# Altium PCB egse_pcb.PcbDoc (part 3 of 3) (continued)
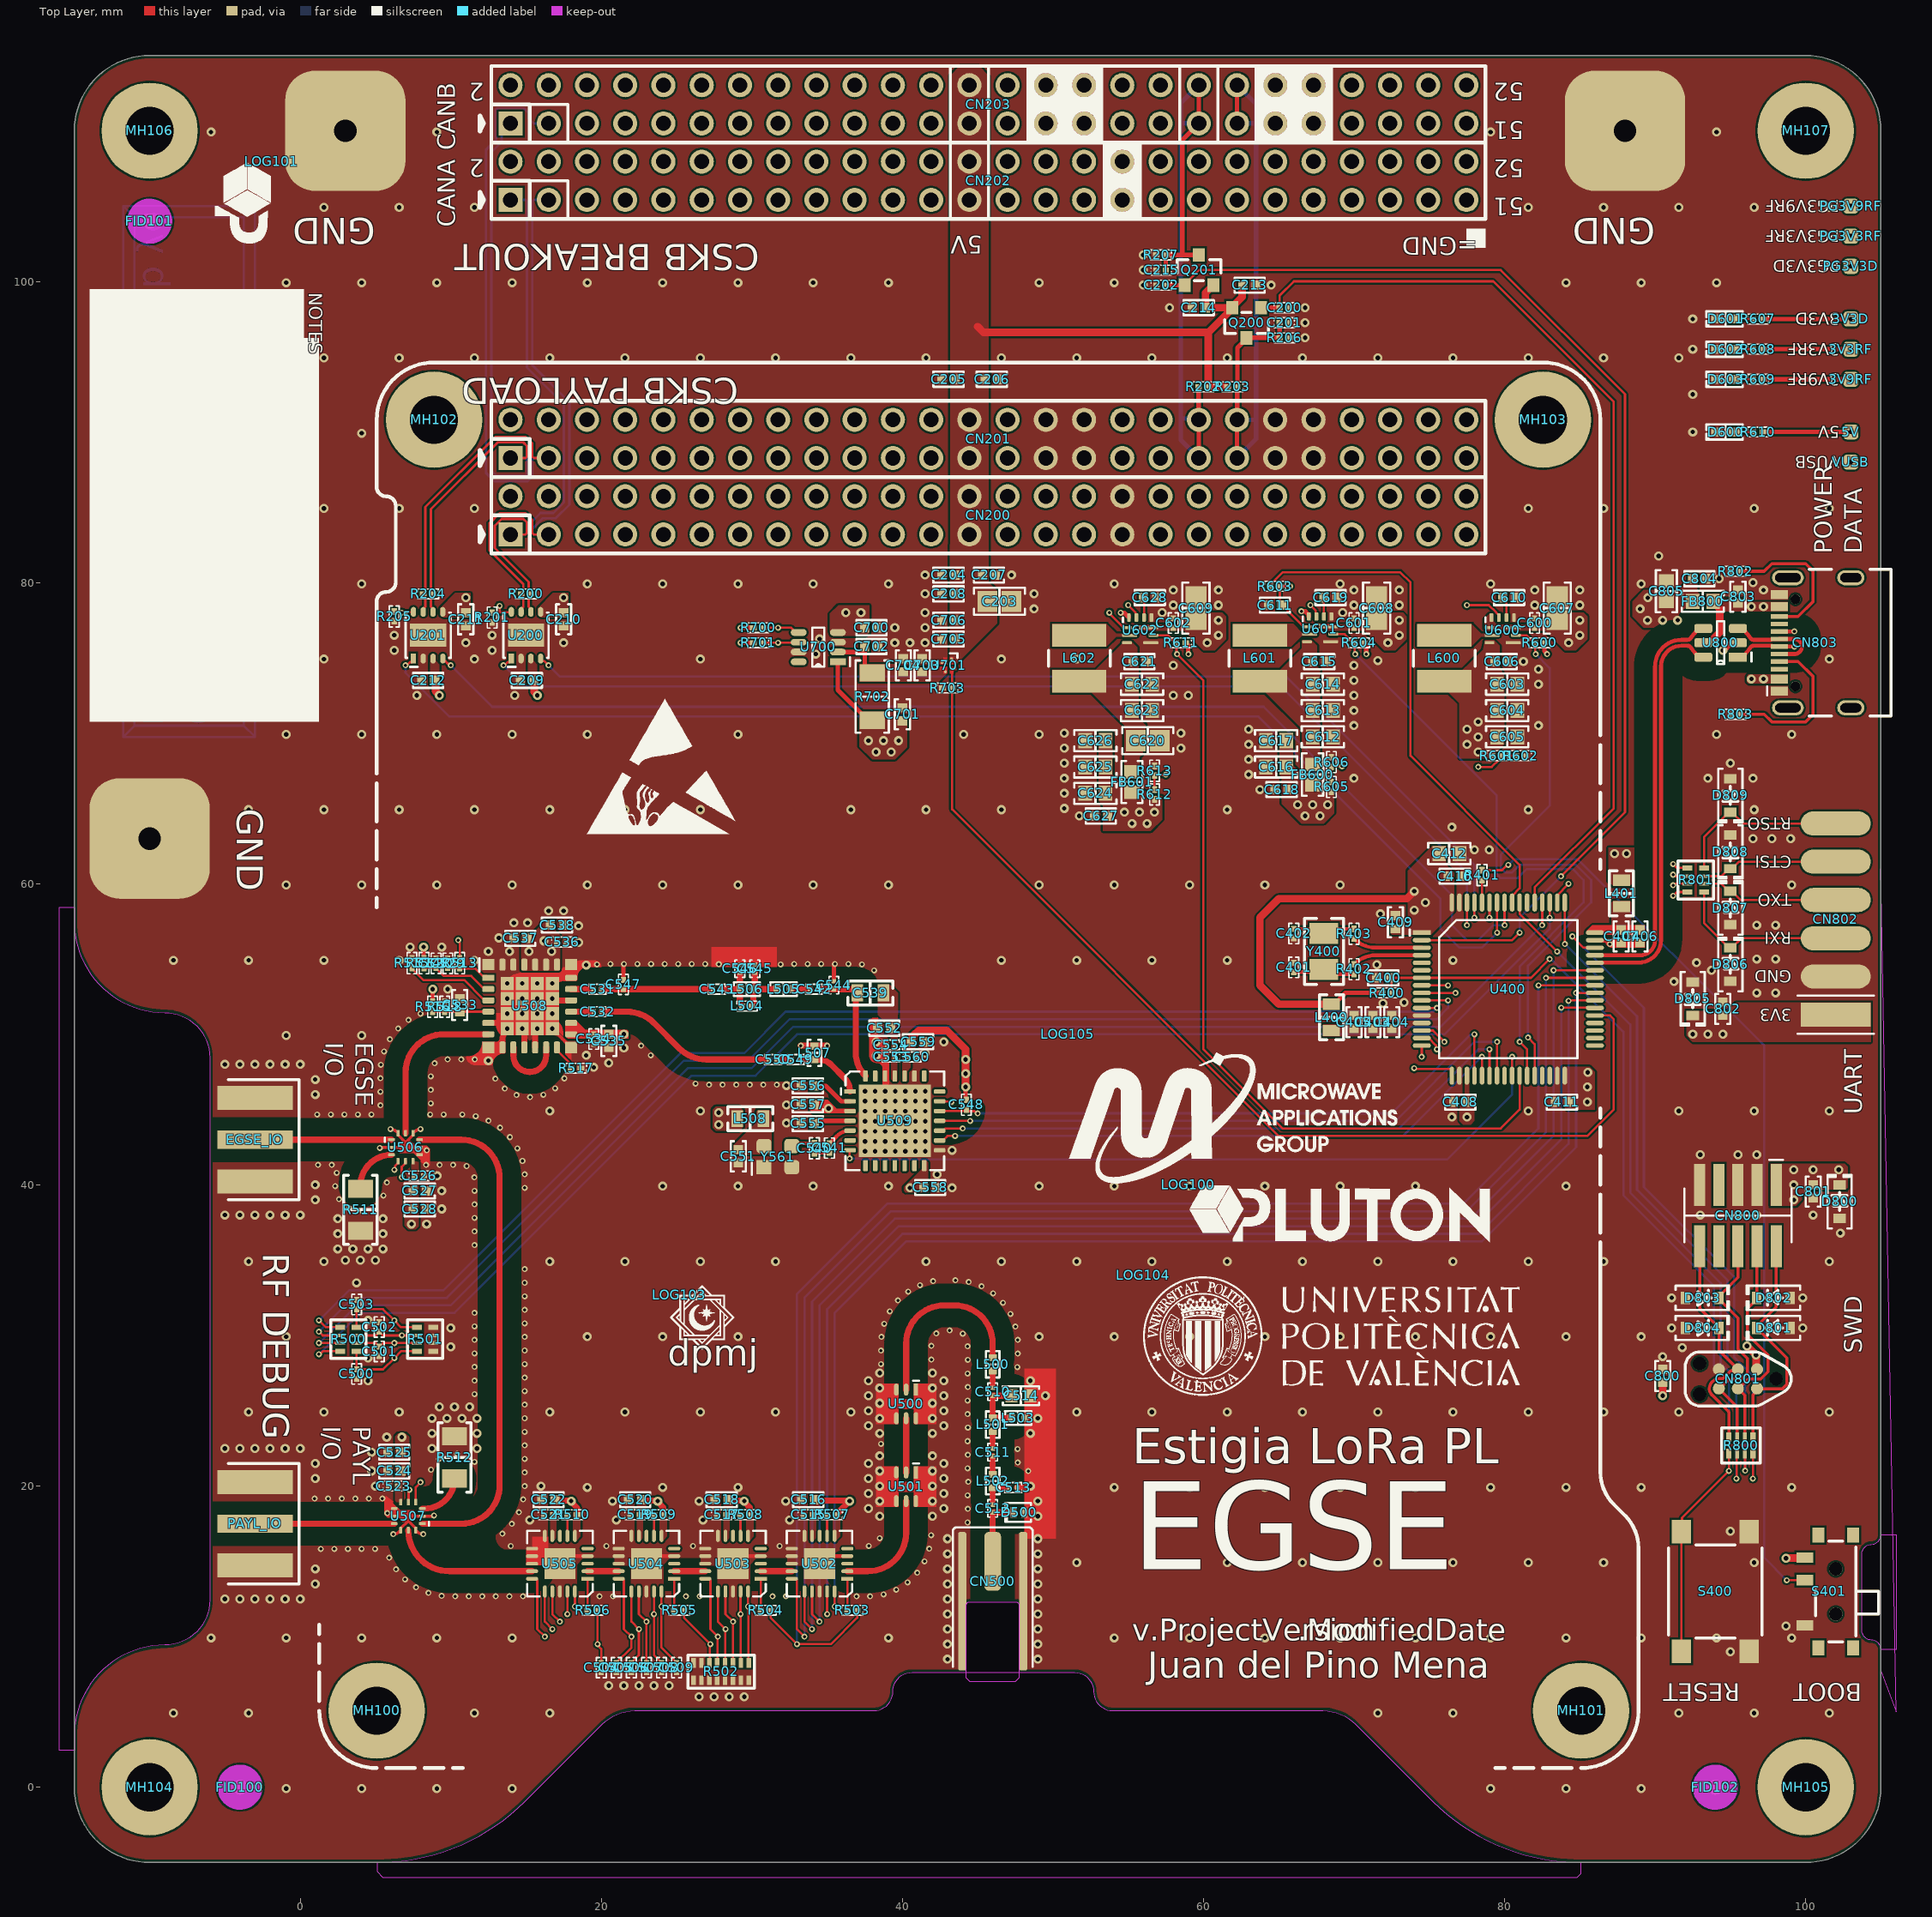
[diagram p0: Top Layer view]
## Nets (pads, with @x,y where several pads share a name; then routed paths per layer and width w, separated by ;. In a path a pad name is that pad's centre, name@x,y a point inside that pad or via, vN(x,y) a via of type N, cw(c..) or ccw(c..) an arc to the next point about the centre after c; other vN are vias at no path point) (continued)
copper on no net: | length 174.2
  Bottom Layer w0.15: -3.75,70.5 -3,69.75 ; -3.75,104.25 -3,105 ; -11.75,69.75 -3,69.75 ; -11.75,69.75 -11.75,105 ; -11.75,69.75 -11,70.5 ; -11.75,105 -3,105 ; -11.75,105 -11,104.25 ; -11,70.5 -3.75,70.5 -3.75,104.25 -11,104.25 ; -11,70.5 -11,104.25 ; -3,69.75 -3,105

## Polygon pours and split planes (outlines as drawn)
GND on Top Layer "NONET_L-01_P-001" (solid, remove dead copper, pour order 76): -16.25,116 -16,116.25 106.75,116.25 106.75,-5.25 105,-7 -16.25,-7 -16.25,115.75 -16,116
VCC_3V3 on Top Layer "NONET_L01_P-001" (solid, pour order 77): 88.6,62.4 88.6,60.114 88.334,59.848 87.204,59.848 86.9,60.151 86.9,62.4
VCC_3V3_USB on Top Layer "NONET_L01_P-001" (solid, pour order 1): 88.334,58.858 88.4,58.791 88.4,56.9 87.1,56.9 87.1,58.754 87.204,58.858
VCC_RF_3V3 on Top Layer "NONET_L01_P-001" (solid, pour order 13): 34.26,16.545 34.26,17.92 34.49,18.15 34.49,19.415 33.89,19.415 33.86,19.385 33.86,16.425 33.875,16.41 34.125,16.41 33.875,16.41 34.125,16.41
VCC_RF_3V3 on Top Layer "NONET_L01_P-001" (solid, pour order 9): 28.51,16.545 28.51,17.92 28.74,18.15 28.74,19.415 28.14,19.415 28.11,19.385 28.11,16.425 28.125,16.41 28.375,16.41 28.125,16.41 28.375,16.41
VCC_RF_3V3 on Top Layer "NONET_L01_P-001" (solid, pour order 7): 22.76,16.545 22.76,17.92 22.99,18.15 22.99,19.415 22.39,19.415 22.36,19.385 22.36,16.425 22.375,16.41 22.625,16.41 22.375,16.41 22.625,16.41
VCC_RF_3V3 on Top Layer "NONET_L01_P-001" (solid, pour order 5): 17.01,16.545 17.01,17.92 17.24,18.15 17.24,19.415 16.64,19.415 16.61,19.385 16.61,16.425 16.625,16.41 16.875,16.41 16.625,16.41 16.875,16.41
VBUS_USB on Top Layer "NONET_L01_P-001" (solid, pour order 29): 98.82,78.7 96.04,78.7 95.82,78.92 94.63,78.92 94.3,79.25 93.4,79.25 93.4,78.25 93.55,78.1 98.82,78.1
VCC_USB_5V on Top Layer "NONET_L01_P-001" (solid, pour order 30): 92.8,79.4 92.95,79.25 92.95,78.25 91.7,77 89.25,77 88.5,77.75 88.5,78.75 89.25,79.5 91.55,79.5 92.2,80.15 92.2,80.57 92.8,80.57 92.8,79.93
VCC_USB_5V on Top Layer "NONET_L-01_P-001" (solid, remove dead copper, pour order 33): 80.075,77.071 80.204,77.2 82.175,77.2 82.8,77.825 82.8,78.15 84.2,78.15 84.2,76.85 84.15,76.8 80.2,76.8 80.075,76.925
VCC_USB_5V on Top Layer "NONET_L-01_P-001" (solid, remove dead copper, pour order 61): 84.2,78.15 84.35,78 85.25,78 85.5,77.75 85.5,76.25 84.75,75.5 84,75.5 82.5,77 82.5,77.2 83.45,78.15
VCC_RF_3V3 on Top Layer "NONET_L01_P-001" (solid, pour order 23): 6.78,18.76 6.78,20.47 7.25,20.94 7.25,23.25 7,23.5 6.5,23.5 6.3,23.3 6.3,20.175 6.3,19.04 6.58,18.76
VCC_RF_3V3 on Top Layer "NONET_L01_P-001" (solid, pour order 16): 27.6,45.2 29.17,45.2 29.405,44.965 29.405,43.835 29.17,43.6 27.6,43.6 27.4,43.8 27.4,45
Y_VCC_10 on Top Layer "NONET_L01_P-001" (solid, pour order 17): 31.31,44.81 31.31,42.338 31.073,42.1 30.547,42.1 30.31,42.338 30.31,44.88 30.395,44.965 31.155,44.965 30.395,44.965 31.155,44.965
VCC_RF_3V3 on Top Layer "NONET_L01_P-001" (solid, pour order 24): 7.4,41.79 7.4,40.08 6.93,39.61 6.93,37.3 7.18,37.05 7.68,37.05 7.88,37.25 7.88,40.375 7.88,41.51 7.6,41.79
VCC_USB_5V on Top Layer "NONET_L-01_P-001" (solid, remove dead copper, pour order 72): 60.2,78.15 60.35,78 61.25,78 61.5,77.75 61.5,76.25 60.75,75.5 60,75.5 58.5,77 58.5,77.2 59.45,78.15
VCC_USB_5V on Top Layer "NONET_L-01_P-001" (solid, remove dead copper, pour order 62): 72.2,78.15 72.35,78 73.25,78 73.5,77.75 73.5,76.25 72.75,75.5 72,75.5 70.5,77 70.5,77.2 71.45,78.15
VCC_3V3 on Top Layer "NONET_L-01_P-001" (solid, remove dead copper, pour order 60): 104.325,52.1 95.37,52.1 94.82,51.55 92.098,51.55 92.085,51.563 92.085,49.915 92.5,49.5 104.325,49.5
VCC_3V3 on Top Layer "NONET_L-01_P-001" (solid, remove dead copper, pour order 59): 77.65,47.7 77.65,45.97 78,45.62 78,44.25 77.75,44 77.25,44 77,44.25 77,45.62 77.35,45.97 77.35,47.7
VCC_USB_5V on Top Layer "NONET_L-01_P-001" (solid, remove dead copper, pour order 58): 37.15,71.425 39.365,71.425 39.68,71.11 40.32,71.11 40.32,69.07 39.5,68.25 38,68.25 37.15,69.1
VCC_SAT_5V on Top Layer "NONET_L-01_P-001" (solid, remove dead copper, pour order 56): 46.3,77.3 46.3,79.45 45.72,80.03 45.72,82.55 43.18,82.55 43.15,82.52 43.15,74.59 43.59,74.59 43.15,74.59 43.59,74.59
VCC_BUS_5V_CTRL on Top Layer "NONET_L-01_P-001" (solid, remove dead copper, pour order 55): 37.15,74.575 39.525,74.575 39.74,74.36 41.63,74.36 41.68,74.41 42.97,74.41 42.97,73.97 42.425,73.425 38.85,73.425 37.15,73.425
VCC_3V3 on Top Layer "NONET_L-01_P-001" (solid, remove dead copper, pour order 53): 35.19,76.68 35.19,77.94 35.75,78.5 37.8,78.5 37.8,76.68 37.58,76.46 35.415,76.46
VCC_3V3 on Top Layer "NONET_L-01_P-001" (solid, remove dead copper, pour order 51): 85.65,47.85 86,47.5 86,45 84.13,45 83.85,45.28 83.85,47.85
VCC_3V3 on Top Layer "NONET_L-01_P-001" (solid, remove dead copper, pour order 50): 76.65,60.72 76.65,58.15 75.1,56.6 74.265,56.6 73.565,57.3 73.565,60.865 75.2,62.5 76.1,62.5 76.1,61.27
VCC_3V3 on Top Layer "NONET_L-01_P-001" (solid, remove dead copper, pour order 49): 72.53,56.6 72.43,56.7 72.43,57.3 74.7,57.3 75.1,56.9 75.1,56.6 75.1,56.9 75.1,56.6
VDDA_3V3 on Top Layer "NONET_L-01_P-001" (solid, remove dead copper, pour order 48): 74.95,50.9 73.05,50.9 72.82,50.67 67.975,50.67 67.935,50.63 67.935,49.87 73.17,49.87 73.944,50.644 73.988,50.6 74.95,50.6
DC3V3.SW_11 on Top Layer "NONET_L-01_P-001" (solid, remove dead copper, pour order 47): 79.625,76.4 78.45,76.4 77.8,75.75 74.2,75.75 74.2,77.25 77.8,77.25 78.45,76.6 79.625,76.6
VCC_USB_5V on Top Layer "NONET_L-01_P-001" (solid, remove dead copper, pour order 46): 56.05,77.1 56.15,77.2 58.2,77.2 58.8,77.8 58.8,78.15 60.2,78.15 60.2,76.85 60.15,76.8 56.15,76.8 56.015,76.935 56.015,77.085
RF3V9.SW_11 on Top Layer "NONET_L-01_P-001" (solid, remove dead copper, pour order 45): 55.55,76.4 54.2,76.4 53.55,75.75 49.95,75.75 49.95,77.25 53.55,77.25 54.2,76.6 55.55,76.6
RF3V9.VO_11 on Top Layer "NONET_L-01_P-001" (solid, remove dead copper, pour order 44): 54.75,66.975 54.75,68.8 56.15,68.8 55.75,68.4 55.75,66.975
RF3V9.VO_11 on Top Layer "NONET_L-01_P-001" (solid, remove dead copper, pour order 42): 55.2,76.1 55.61,75.69 55.61,75.07 55.7,74.98 55.7,71 56.15,70.55 56.15,68.8 54.75,68.8 54.75,70.5 52.55,72.7 49.95,72.7 49.95,74.2 52.85,74.2 54.615,75.965 54.615,76.085 54.629,76.1
VCC_RF_3V9 on Top Layer "NONET_L-01_P-001" (solid, remove dead copper, pour order 43): 53.95,70 53.95,67.25 54.675,66.525 55.75,66.525 56.455,65.82 57.25,65.82 57.25,64.25 56.5,63.5 53.33,63.5 53.33,65.22 53.05,65.5 53.05,70
VCC_RF_3V3 on Top Layer "NONET_L-01_P-001" (solid, remove dead copper, pour order 41): 65.95,67.85 66.775,67.025 67.75,67.025 68.455,66.32 68.675,66.32 68.675,64.675 68,64 66.5,64 65.2,65.3 65.2,67.1 65.05,67.25 65.05,70 65.95,70 65.05,70 65.95,70
VCC_3V3 on Top Layer "NONET_L-01_P-001" (solid, remove dead copper, pour order 40): 78.995,75.975 79.07,75.975 79.395,68.325 77,68.325 77,72 76.01,72.99
VCC_3V3 on Top Layer "NONET_L-01_P-001" (solid, remove dead copper, pour order 39): 79.67,74.43 79.97,73.75 79.97,69.25 79.395,68.675 79.395,68.325 77,68.325 78.67,76.004 78.67,76.125 78.72,76.175 79.291,76.175 79.67,75.796
RF3V3.VO_11 on Top Layer "NONET_L-01_P-001" (solid, remove dead copper, pour order 38): 66.875,75.975 66.95,75.975 66.95,69.85 63.85,72.95
RF3V3.SW_11 on Top Layer "NONET_L-01_P-001" (solid, remove dead copper, pour order 37): 67.5,76.475 66.55,76.475 65.825,75.75 61.95,75.75 61.95,77.25 65.975,77.25 66.55,76.675 67.5,76.675
RF3V3.VO_11 on Top Layer "NONET_L-01_P-001" (solid, remove dead copper, pour order 36): 67.55,74.43 67.75,74.23 67.75,69.2 67.75,67.475 66.55,67.475 66.55,76.004 66.55,76.125 66.6,76.175 67.171,76.175 67.55,75.796
VCC_USB_5V on Top Layer "NONET_L-01_P-001" (solid, remove dead copper, pour order 35): 72.15,76.8 68.175,76.8 68,76.975 68,77.175 68.071,77.246 70.221,77.246 70.8,77.825 70.8,78.15 72.2,78.15 72.2,76.85 72.2,78.15 72.2,76.85
VCC_USB_5V on Top Layer "NONET_L-01_P-001" (solid, remove dead copper, pour order 34): 79.25,77.9 79.25,77.45 79.5,77.2 80.204,77.2 80.204,76.804 80.2,76.8 78.804,76.8 78.675,76.929 78.675,77.596 79.015,77.935 79.215,77.935
VBUS_USB on Top Layer "NONET_L01_P-001" (solid, pour order 32): 98.82,73.9 96.2,73.9 96.1,73.8 96.1,73.4 96.2,73.3 98.82,73.3
VCC_3V3 on Top Layer "NONET_L01_P-001" (solid, pour order 28): 15.5,74.8 15.74,74.56 15.74,73.18 15.14,73.18 15.14,75.162 15.201,75.224 15.449,75.224 15.5,75.172
VCC_3V3 on Top Layer "NONET_L01_P-001" (solid, pour order 27): 17.82,77.7 16,77.7 15.8,77.9 15.8,78.3 16.8,79.3 17.8,79.3 17.82,79.28
VCC_3V3 on Top Layer "NONET_L01_P-001" (solid, pour order 26): 9,74.8 9.24,74.56 9.24,73.18 8.64,73.18 8.64,75.162 8.701,75.224 8.949,75.224 9,75.172
VCC_3V3 on Top Layer "NONET_L01_P-001" (solid, pour order 25): 11.32,77.7 9.5,77.7 9.3,77.9 9.3,78.3 10.3,79.3 11.3,79.3 11.32,79.28
VCC_3V3 on Top Layer "NONET_L01_P-001" (solid, pour order 21): 97.67,41.395 97.675,41.4 102.6,41.4 102.8,41.2 102.8,39.822 102.665,39.687 100.192,39.687 100.18,39.7 99.75,39.27 99.75,39 99.355,38.605 97.67,38.605
VCC_RF_3V9 on Top Layer "NONET_L01_P-001" (solid, pour order 19): 17.162,54.225 17.263,54.326 17.263,56.587 16.92,56.93 16.92,57.57 16.32,57.57 15.445,56.695 14.763,56.695 14.687,56.62 14.687,54.325 14.787,54.225 14.687,54.325 14.787,54.225
Y_VCC_10 on Top Layer "NONET_L01_P-001" (solid, pour order 18): 28.78,42.04 31.111,42.04 31.31,42.239 31.31,44.4 30.54,44.4 28.78,42.64
VCC_RF_3V3 on Top Layer "NONET_L01_P-001" (solid, pour order 15): 41.578,41.628 41.71,41.496 41.71,39.505 40.205,39.505 40.2,39.5 40.1,39.6 40.1,39.855 41.3,41.055 41.3,41.575 41.353,41.628
RA.VR_PA_10 on Top Layer "NONET_L01_P-001" (solid, pour order 3): 39.65,46.925 39.703,52.742 39.13,53.315 38.27,53.315 38.27,51.39 38.94,50.72 38.94,50.08 39.26,49.76 39.26,47.015 39.35,46.925
VCC_RF_3V3 on Top Layer "NONET_L01_P-001" (solid, pour order 14): 35.87,16.655 35.87,18.27 35.43,18.27 35.375,18.215 35.375,16.41 35.625,16.41 35.375,16.41 35.625,16.41
VCC_RF_3V3 on Top Layer "NONET_L01_P-001" (solid, pour order 10): 30.12,16.655 30.12,18.27 29.68,18.27 29.625,18.215 29.625,16.41 29.875,16.41 29.625,16.41 29.875,16.41
VCC_RF_3V3 on Top Layer "NONET_L01_P-001" (solid, pour order 8): 24.37,16.655 24.37,18.27 23.93,18.27 23.875,18.215 23.875,16.41 24.125,16.41 23.875,16.41 24.125,16.41
VCC_RF_3V3 on Top Layer "NONET_L01_P-001" (solid, pour order 6): 18.62,16.655 18.62,18.27 18.18,18.27 18.125,18.215 18.125,16.41 18.375,16.41 18.125,16.41 18.375,16.41
VCC_RF_3V3 on Top Layer "NONET_L01_P-001" (solid, pour order 4): 40,46.925 40,49.535 40.715,50.25 40.96,50.25 40.96,49.24 40.55,48.83 40.55,47.775 40.3,47.525 40.3,46.925
VCC_SAT_5V on Top Layer "NONET_L01_P-001" (solid, pour order 2): 45.085,114.3 45.72,113.665 45.72,82.55 45.085,81.915 43.815,81.915 43.18,82.55 43.18,113.665 43.815,114.3 43.18,113.665 43.815,114.3
VBUS_USB on INT-SIG-1 "NONET_L01_P-001" (solid, pour order 31): 95.9,78.8 97.7,78.8 97.7,73.2 95.9,73.2
GND on Bottom Layer "NONET_L-01_P-001" (solid, remove dead copper, pour order 74): -16.25,116 -16,116.25 106.75,116.25 106.75,-5.25 105,-7 -16.25,-7 -16.25,115.75 -16,116
VCC_RF_3V3 on INT-SIG-2 "NONET_L-01_P-001" (solid, remove dead copper, pour order 68): 69,66.25 70.25,65 70.25,51.5 37,18.25 35.25,16.5 13,16.5 6.25,23.25 6.25,54.5 8.125,56.375 8.75,55.75 8.75,55.25 8,54.5 8,49.5 11,46.5 15.25,46.5 19.5,50.75 49.5,50.75 65,66.25
VCC_3V3 on INT-SIG-2 "NONET_L-01_P-001" (solid, remove dead copper, pour order 71): 76.75,71.25 77.25,71.25 86.75,71.25 92.75,77.25 92.75,80.25 91,82 47.75,82 33.25,67.5 -13.75,67.5 -13.75,106.25 -6.25,113.75 96.25,113.75 103.75,106.25 103.75,10.405 98.425,5.08 84.92,5.08 71.25,18.75 71.25,65.75
VCC_RF_3V9 on INT-SIG-2 "NONET_L-01_P-001" (solid, remove dead copper, pour order 69): 57.5,66.25 58.75,65 58.75,61.5 49,51.75 9.25,51.75 8.25,52.75 8.25,54 20.5,66.25
VCC_USB_5V on INT-SIG-2 "NONET_L-01_P-001" (solid, remove dead copper, pour order 67): 92,77.5 86.5,72 76.5,72 72,67.5 38.25,67.5 37,68.75 37,70.25 48,81.25 90.75,81.25 92,80
GND on INT-SIG-2 "NONET_L01_P-001" (solid, pour order 75): -13.75,66.25 5.5,66.25 5.5,23 12.75,15.75 35.5,15.75 61,41.25 68.75,41.25 70.5,39.5 70.5,18.5 84.75,4.25 100,4.25 100,0 96.25,-3.75 -6.25,-3.75 -10,0 -10,5 -5,10 -5,50 -13.75,58.75
GND on GND-2 (split plane): 417 vertices, not listed, extent -14.49,-4.49 104.49,114.49
GND on GND-1 (split plane): 417 vertices, not listed, extent -14.49,-4.49 104.49,114.49

## Keep-outs
Keep-Out Layer:
  text "'.Layer_Name'" at 159.45,-46.129 h2.5

## Other copper
Top Layer:
  drawing of 53 lines, arcs and shapes, not listed
  text "'.Layer_Name'" at 159.45,-46.101 h2.5
INT-SIG-1:
  text "'.Layer_Name'" at 159.45,-46.129 h2.5
INT-SIG-2:
  text "'.Layer_Name'" at 159.45,-46.129 h2.5
Bottom Layer:
  text "change da world / my final message. Goodb ye" at -11,70.5 h3 r270
  text "'.Layer_Name'" at 159.45,-46.101 h2.5
GND-1 (plane layer: these items are gaps in the copper):
  text "'.Layer_Name'" at 159.45,-46.129 h2.5
GND-2 (plane layer: these items are gaps in the copper):
  text "'.Layer_Name'" at 159.45,-46.129 h2.5

## Silkscreen, mask and mechanical layers (free items; w line width, h text height)
Top Overlay:
  drawing of 91 lines, arcs and shapes, not listed
  text "2" at 12.224,113.576 h2 r180
  text "52" at 81.28,113.567 h2 r180
  text "51" at 81.28,111.018 h2 r180
  text "CANB" at 10.697,108.711 h2 r90
  text "2" at 12.224,108.496 h2 r180
  text "52" at 81.28,108.487 h2 r180
  text "51" at 81.28,105.938 h2 r180
  text "GND" at 4.995,104.805 h3 r180
  text "GND" at 89.995,104.805 h3 r180
  text "CANA" at 10.697,103.601 h2 r90
  text "5V" at 45.333,103.398 h2 r180
  text "=GND" at 78.198,103.322 h2 r180
  text "CSKB BREAKOUT" at 30.523,103.072 h3 r180
  text "NOTES" at 0.279,99.25 h1.5 r270
  text "CSKB PAYLOAD" at 29.119,94.172 h3 r180
  text "POWER / DATA" at 104.14,81.915 h2 r90
  text "GND" at -4.805,64.995 h3 r270
  text "EGSE / I/O" at 1.291,49.453 h2 r270
  text "UART" at 104.14,44.692 h2 r90
  text "RF DEBUG" at -3.072,35.48 h3 r270
  text "SWD" at 104.14,28.817 h2 r90
  text "dpmj" at 24.408,27.404 h3
  text "PAYL / I/O" at 1.128,23.985 h2 r270
  text "Estigia LoRa PL" at 55.25,20.735 h4
  text "EGSE" at 55.25,12.547 h10
  text "v.ProjectVersion" at 55.25,9.25 h2.5
  text ".ModifiedDate" at 66.25,9.25 h2.5
  text "RESET" at 95.657,7.292 h2 r180
  text "BOOT" at 103.733,7.292 h2 r180
  text "Juan del Pino Mena" at 56.3,6.646 h3
  text "'.Layer_Name'" at 167.75,-46.129 h2.5
Bottom Overlay:
  drawing of 41 lines, arcs and shapes, not listed
  text "2" at 11.432,113.576 h2 r180
  text "52" at 79.569,113.567 h2 r180
  text "CANB" at 10.697,112.269 h2 r90
  text "51" at 79.53,111.018 h2 r180
  text "2" at 11.432,108.496 h2 r180
  text "52" at 79.569,108.487 h2 r180
  text "CANA" at 10.697,107.219 h2 r90
  text "51" at 79.53,105.938 h2 r180
  text "5V" at 43.567,103.398 h2 r180
  text "=GND" at 73.64,103.322 h2 r180
  text "CSKB BREAKOUT" at 12.7,103.072 h3 r180
  text "Estigia LoRa PL" at 83.8,29.935 h4
  text "EGSE" at 93.4,23.597 h10
  text ".ModifiedDate" at 87.7,21.2 h2.5
  text "v.ProjectVersion" at 83.8,19.125 h2.5
  text "'.Layer_Name'" at 173.95,-45.129 h2.5
Top Paste:
  text "'.Layer_Name'" at 159.45,-46.101 h2.5
  text "'.Layer_Name'" at 159.5,-46.101 h2.5
  text "'.Layer_Name'" at 159.62,-46.53 h2.5
Bottom Paste:
  text "'.Layer_Name'" at 159.45,-46.101 h2.5
  text "'.Layer_Name'" at 159.5,-46.101 h2.5
  text "'.Layer_Name'" at 159.62,-46.53 h2.5
Top Solder:
  text "'.Layer_Name'" at 183.45,-46.129 h2.5
Bottom Solder:
  text "'.Layer_Name'" at 174.95,-47.129 h2.5
Drill Guide:
  text "'.Layer_Name'" at 159.5,-46.129 h2.5
  text "'.Layer_Name'" at 159.62,-46.53 h2.5
  text "'.Layer_Name'" at 174.45,-47.129 h2.5
Dimension:
  text "'.Layer_Name'" at 188.45,-47.101 h2.5
Board Shape:
  lines w0.15: -15,5.441 -15,31.7 ; 18.048,2.168 14.949,-0.931 cw(c5.125,8.893) 5.125,-5 5.125,-5.625 5.5,-6 84.797,-6 85.05,-5.748 85.05,-5 cw(c85.05,8.893) 75.226,-0.931 72.127,2.168 ; 44.235,7.62 ccw(c44.235,7.635) 44.25,7.635 ; -15,2.441 -15,2.441 ; -15,2.441 -16,2.441 -16,30.441 -16,58.441 -15,58.441 ; -15,2.441 -15,3.441 cw(c-9,3.441) -9,9.441 ccw(c-9,12.441) -6,12.441 -6,30.441 -6,48.441 ccw(c-9,48.441) -9,51.441 cw(c-9,57.441) -15,57.441 -15,58.441 ; -15,58.441 -15,58.441 ; -15,0 ccw(c-10,0) -10,-5 100,-5 ccw(c100,0) 105,0 105,110 ccw(c100,110) 100,115 -10,115 ccw(c-10,110) -15,110 -15,0 ; 44.25,7.25 44.25,12.1 cw(c44.45,12.1) 44.45,12.3 47.55,12.3 cw(c47.55,12.1) 47.75,12.1 47.75,7.25 47.5,7 44.5,7 44.25,7.25
  lines w0.2: 18.048,2.168 20.074,4.187 cw(c22.23,2.031) 22.23,5.08 38.1,5.08 ccw(c38.1,6.35) 39.37,6.35 cw(c40.64,6.35) 40.64,7.62 47.83,7.62 51.435,7.62 cw(c51.435,6.35) 52.705,6.35 ccw(c53.975,6.35) 53.975,5.08 67.945,5.08 cw(c67.945,2.031) 70.101,4.187 72.127,2.168
  text "'.Layer_Name'" at 159.45,-45.129 h2.5
Component Guard:
  text "'.Layer_Name'" at 176.45,-45.129 h2.5
  text "'.Layer_Name'" at 159.5,-46.129 h2.5
  text "'.Layer_Name'" at 159.62,-46.53 h2.5
Sheet:
  drawing of 292 lines, arcs and shapes, not listed
  text "1" at -9.334,126.631 h1.78
  text "2" at 63.31,126.631 h1.78
  text "3" at 136.462,126.631 h1.78
  text "4" at 209.36,126.631 h1.78
  text "Layer" at 162.912,105.25 h1.5
  text "Name" at 169.218,105.25 h1.5
  text "Material" at 181.918,105.25 h1.5
  text "Thickness" at 190.418,105.25 h1.5
  text "Constant" at 199.585,105.25 h1.5
  text "Board Layer Stack" at 208.055,105.25 h1.5
  text "A" at -43.675,103.619 h1.78
  text "A" at 243.345,103.619 h1.78
  text "Top Overlay" at 169.218,102.25 h1.5
  text "Top Solder" at 169.218,99.25 h1.5
  text "SM-001" at 181.918,99.25 h1.5
  text "0.025mm" at 190.418,99.25 h1.5
  text "4" at 199.585,99.25 h1.5
  text "1" at 162.912,96.25 h1.5
  text "Top Layer" at 169.218,96.25 h1.5
  text "CF-004" at 181.918,96.25 h1.5
  text "0.018mm" at 190.418,96.25 h1.5
  text "Dielectric-1" at 169.218,93.25 h1.5
  text "PP-006" at 181.918,93.25 h1.5
  text "0.220mm" at 190.418,93.25 h1.5
  text "4.1" at 199.585,93.25 h1.5
  text "2" at 162.912,90.25 h1.5
  text "GND-1" at 169.218,90.25 h1.5
  text "CF-004" at 181.918,90.25 h1.5
  text "0.035mm" at 190.418,90.25 h1.5
  text "Core-1" at 169.218,87.25 h1.5
  text "Core-035" at 181.918,87.25 h1.5
  text "0.350mm" at 190.418,87.25 h1.5
  text "4.7" at 199.585,87.25 h1.5
  text "3" at 162.912,84.25 h1.5
  text "INT-SIG-1" at 169.218,84.25 h1.5
  text "CF-004" at 181.918,84.25 h1.5
  text "0.035mm" at 190.418,84.25 h1.5
  text "Dielectric-2" at 169.218,81.25 h1.5
  text "PP-006" at 181.918,81.25 h1.5
  text "0.220mm" at 190.418,81.25 h1.5
  text "4.1" at 199.585,81.25 h1.5
  text "4" at 162.912,78.25 h1.5
  text "INT-SIG-2" at 169.218,78.25 h1.5
  text "CF-004" at 181.918,78.25 h1.5
  text "0.035mm" at 190.418,78.25 h1.5
  text "Core-2" at 169.218,75.25 h1.5
  text "Core-035" at 181.918,75.25 h1.5
  text "0.350mm" at 190.418,75.25 h1.5
  text "4.7" at 199.585,75.25 h1.5
  text "5" at 162.912,72.25 h1.5
  text "GND-2" at 169.218,72.25 h1.5
  text "CF-004" at 181.918,72.25 h1.5
  text "0.035mm" at 190.418,72.25 h1.5
  text "Dielectric-3" at 169.218,69.25 h1.5
  text "PP-006" at 181.918,69.25 h1.5
  text "0.220mm" at 190.418,69.25 h1.5
  text "4.1" at 199.585,69.25 h1.5
  text "6" at 162.912,66.25 h1.5
  text "Bottom Layer" at 169.218,66.25 h1.5
  text "CF-004" at 181.918,66.25 h1.5
  text "0.018mm" at 190.418,66.25 h1.5
  text "Bottom Solder" at 169.218,63.25 h1.5
  text "SM-001" at 181.918,63.25 h1.5
  text "0.025mm" at 190.418,63.25 h1.5
  text "4" at 199.585,63.25 h1.5
  text "Bottom Overlay" at 169.218,60.25 h1.5
  text "Total board thickness:" at 162.912,57.25 h1.5
  text "1.586mm" at 190.418,57.25 h1.5
  text "B" at -43.5,57 h1.78
  text "B" at 243.345,55.562 h1.78
  text "C" at -43.675,7.048 h1.78
  text "C" at 243.345,7.048 h1.78
  text "Pluton UPV" at 152.5,-36.287 h2.5
  text "D" at -43.675,-40.958 h1.78
  text "D" at 243.345,-40.958 h1.78
  text "Project:" at 152.45,-41.241 h2.5
  text "Estigia LoRa Comms PL - mPCIe SoM" at 160.55,-41.355 h2.5
  text "Layer:" at 152.5,-46.066 h2.5
  text "Engineer:" at 152.5,-51.066 h2.5
  text "Juan Del Pino Mena" at 162.995,-51.287 h2.5
  text "Revision:" at 174.575,-56.225 h2.5
  text "Date:" at 152.5,-56.288 h2.5
  text "0.3" at 184.475,-56.3 h2.5
  text "Size:" at 210.625,-56.4 h2.5
  text "A4" at 216.625,-56.425 h2.5
  text "'.Print_Date'" at 158.42,-56.48 h2.5
  text "1" at -9.334,-61.329 h1.78
  text "2" at 63.31,-61.329 h1.78
  text "3" at 136.462,-61.329 h1.78
  text "4" at 209.36,-61.329 h1.78
Drill Drawing:
  circle w0.15: c-30.841,-34.483 r0.639
  lines w0.15: -31.481,-46.633 -30.202,-46.633 -30.202,-45.354 -31.481,-45.354 -31.481,-46.633 ; -31.481,-43.116 -30.841,-43.755 -30.202,-43.116 -30.841,-42.476 -31.481,-43.116 ; -31.481,-39.599 -30.202,-39.599 -30.841,-40.878 -31.481,-39.599 ; -31.481,-38 -31.481,-37.68 -31.161,-37.361 -31.481,-37.041 -31.481,-36.721 -31.161,-36.721 -30.841,-37.041 -30.521,-36.721 -30.202,-36.721 -30.202,-37.041 -30.521,-37.361 -30.202,-37.68 -30.202,-38 -30.521,-38 -30.841,-37.68 -31.161,-38 -31.481,-38 ; -31.481,-32.245 -30.202,-32.245 -30.202,-30.966 -31.481,-30.966 -31.481,-32.245 ; -31.481,-29.367 -30.841,-29.047 -30.202,-29.367 -30.521,-28.727 -30.202,-28.088 -30.841,-28.408 -31.481,-28.088 -31.161,-28.727 -31.481,-29.367 ; -31.481,-26.169 -31.161,-26.169 -31.161,-26.489 -30.521,-26.489 -30.521,-26.169 -30.202,-26.169 -30.202,-25.53 -30.521,-25.53 -30.521,-25.21 -31.161,-25.21 -31.161,-25.53 -31.481,-25.53 -31.481,-26.169 ; -31.481,-23.292 -31.161,-23.292 -30.841,-23.612 -30.521,-23.292 -30.202,-23.292 -30.521,-22.972 -30.202,-22.652 -30.521,-22.652 -30.841,-22.333 -31.161,-22.652 -31.481,-22.652 -31.161,-22.972 -31.481,-23.292 ; -31.225,-31.989 -30.458,-31.989 -30.458,-31.221 -31.225,-31.221 -31.225,-31.989
  lines w0.2: -32.615,-47.496 113.955,-47.496 ; -32.615,-21.597 113.955,-21.597 ; -25.153,-50.374 -25.153,-18.719 ; -16.575,-50.374 -16.575,-18.719 ; -7.417,-50.374 -7.417,-18.719 ; -0.863,-50.374 -0.863,-18.719 ; 8.295,-50.374 8.295,-18.719 ; 26.779,-50.374 26.779,-18.719 ; 34.292,-50.374 34.292,-18.719 ; 47.792,-50.374 47.792,-18.719 ; 69.025,-50.374 69.025,-18.719 ; 79.843,-50.374 79.843,-18.719 ; 96.468,-50.374 96.468,-18.719 ; -32.615,-50.374 113.955,-50.374 113.955,-18.719 -32.615,-18.719 -32.615,-50.374
  text "Symbol" at -30.888,-20.734 h1.8
  text "Count" at -24.289,-20.734 h1.8
  text "Hole Size" at -15.712,-20.734 h1.8
  text "Plated" at -6.554,-20.734 h1.8
  text "Hole Type" at 0,-20.734 h1.8
  text "Drill Layer Pair" at 9.158,-20.734 h1.8
  text "Via/Pad" at 27.642,-20.734 h1.8
  text "Pad Shape" at 35.155,-20.734 h1.8
  text "Template" at 48.655,-20.734 h1.8
  text "Description" at 69.889,-20.734 h1.8
  text "Hole Tolerance (+)" at 80.706,-20.734 h1.8
  text "Hole Tolerance (-)" at 97.331,-20.734 h1.8
  text "2" at -24.289,-23.612 h1.5
  text "0.650mm" at -15.712,-23.612 h1.5
  text "NPTH" at -6.554,-23.612 h1.5
  text "Round" at 0,-23.612 h1.5
  text "Top Layer - Bottom Layer" at 9.158,-23.612 h1.5
  text "Pad" at 27.642,-23.612 h1.5
  text "Rounded" at 35.155,-23.612 h1.5
  text "c65hn65m65p0" at 48.655,-23.612 h1.5
  text "2" at -24.289,-26.489 h1.5
  text "1.400mm" at -15.712,-26.489 h1.5
  text "PTH" at -6.554,-26.489 h1.5
  text "Slot" at 0,-26.489 h1.5
  text "Top Layer - Bottom Layer" at 9.158,-26.489 h1.5
  text "Pad" at 27.642,-26.489 h1.5
  text "Rounded Rectangle" at 35.155,-26.489 h1.5
  text "r100_180h140_60r50m100_180p0" at 48.655,-26.489 h1.5
  text "2" at -24.289,-29.367 h1.5
  text "1.700mm" at -15.712,-29.367 h1.5
  text "PTH" at -6.554,-29.367 h1.5
  text "Slot" at 0,-29.367 h1.5
  text "Top Layer - Bottom Layer" at 9.158,-29.367 h1.5
  text "Pad" at 27.642,-29.367 h1.5
  text "Rounded Rectangle" at 35.155,-29.367 h1.5
  text "r100_210h170_60r50m100_210p0" at 48.655,-29.367 h1.5
  text "3" at -24.289,-32.245 h1.5
  text "1.500mm" at -15.712,-32.245 h1.5
  text "PTH" at -6.554,-32.245 h1.5
  text "Round" at 0,-32.245 h1.5
  text "Top Layer - Bottom Layer" at 9.158,-32.245 h1.5
  text "Pad" at 27.642,-32.245 h1.5
  text "Rounded Rectangle" at 35.155,-32.245 h1.5
  text "s800h150r200" at 48.655,-32.245 h1.5
  text "5" at -24.289,-35.122 h1.5
  text "0.900mm" at -15.712,-35.122 h1.5
  text "NPTH" at -6.554,-35.122 h1.5
  text "Round" at 0,-35.122 h1.5
  text "Top Layer - Bottom Layer" at 9.158,-35.122 h1.5
  text "Pad" at 27.642,-35.122 h1.5
  text "Rounded" at 35.155,-35.122 h1.5
  text "(Mixed)" at 48.655,-35.122 h1.5
  text "8" at -24.289,-38 h1.5
  text "3.200mm" at -15.712,-38 h1.5
  text "PTH" at -6.554,-38 h1.5
  text "Round" at 0,-38 h1.5
  text "Top Layer - Bottom Layer" at 9.158,-38 h1.5
  text "Pad" at 27.642,-38 h1.5
  text "Rounded" at 35.155,-38 h1.5
  text "c640h320_503323056" at 48.655,-38 h1.5
  text "208" at -24.289,-40.878 h1.5
  text "1.000mm" at -15.712,-40.878 h1.5
  text "PTH" at -6.554,-40.878 h1.5
  text "Round" at 0,-40.878 h1.5
  text "Top Layer - Bottom Layer" at 9.158,-40.878 h1.5
  text "Pad" at 27.642,-40.878 h1.5
  text "(Mixed)" at 35.155,-40.878 h1.5
  text "(Mixed)" at 48.655,-40.878 h1.5
  text "332" at -24.289,-43.755 h1.5
  text "0.200mm" at -15.712,-43.755 h1.5
  text "PTH" at -6.554,-43.755 h1.5
  text "Round" at 0,-43.755 h1.5
  text "Top Layer - Bottom Layer" at 9.158,-43.755 h1.5
  text "Via" at 27.642,-43.755 h1.5
  text "Rounded" at 35.155,-43.755 h1.5
  text "(Mixed)" at 48.655,-43.755 h1.5
  text "(Mixed)" at 69.889,-43.755 h1.5
  text "'.Layer_Name'" at 159.5,-46.101 h2.5
  text "'.Layer_Name'" at 159.62,-46.53 h2.5
  text "'.Layer_Name'" at 159.62,-46.53 h2.5
  text "691" at -24.289,-46.633 h1.5
  text "0.300mm" at -15.712,-46.633 h1.5
  text "PTH" at -6.554,-46.633 h1.5
  text "Round" at 0,-46.633 h1.5
  text "Top Layer - Bottom Layer" at 9.158,-46.633 h1.5
  text "(Mixed)" at 27.642,-46.633 h1.5
  text "(Mixed)" at 35.155,-46.633 h1.5
  text "(Mixed)" at 48.655,-46.633 h1.5
  text "(Mixed)" at 69.889,-46.633 h1.5
  text "'.Layer_Name'" at 159.45,-47.101 h2.5
  text "1253 Total" at -24.289,-49.511 h1.5
  text "Slot definitions :" at -30.888,-51.518 h1.5
  text "Routed Path Length" at -17.693,-51.518 h1.5
  text "= Calculated from tool start centre position to tool end centre position." at -4.38,-51.518 h1.5
  text "Hole Length" at -17.693,-52.662 h1.5
  text "= Routed Path Length + Tool Size = Slot length as defined in the PCB layout" at -9.264,-52.662 h1.5

## Text inside footprints (layer, text, board x,y; h text height)
CN802: Top Overlay "RTSO" at 99.076,64.4 h0.8 r180; Top Overlay "CTSI" at 99.076,61.86 h0.8 r180; Top Overlay "TXO" at 99.076,59.32 h0.8 r180; Top Overlay "RXI" at 99.076,56.78 h0.8 r180; Top Overlay "GND" at 99.076,54.24 h0.8 r180; Top Overlay "3V3" at 99.076,51.7 h0.8 r180